# Altium PCB PCB_SDR.PcbDoc (part 1 of 6)
Units mil, origin at the board's own origin, x right, y up, seen from the top; angles counter-clockwise.
Board outline 4925.6 x 3220.01 mil, 8 copper layers (Top Layer, GND1, Signal 1, Power1, Power2, Signal 2, GND2, Bottom Layer), stack 62.84 mil thick; 406 components, 373 nets, 1642 pads, 1474 vias.
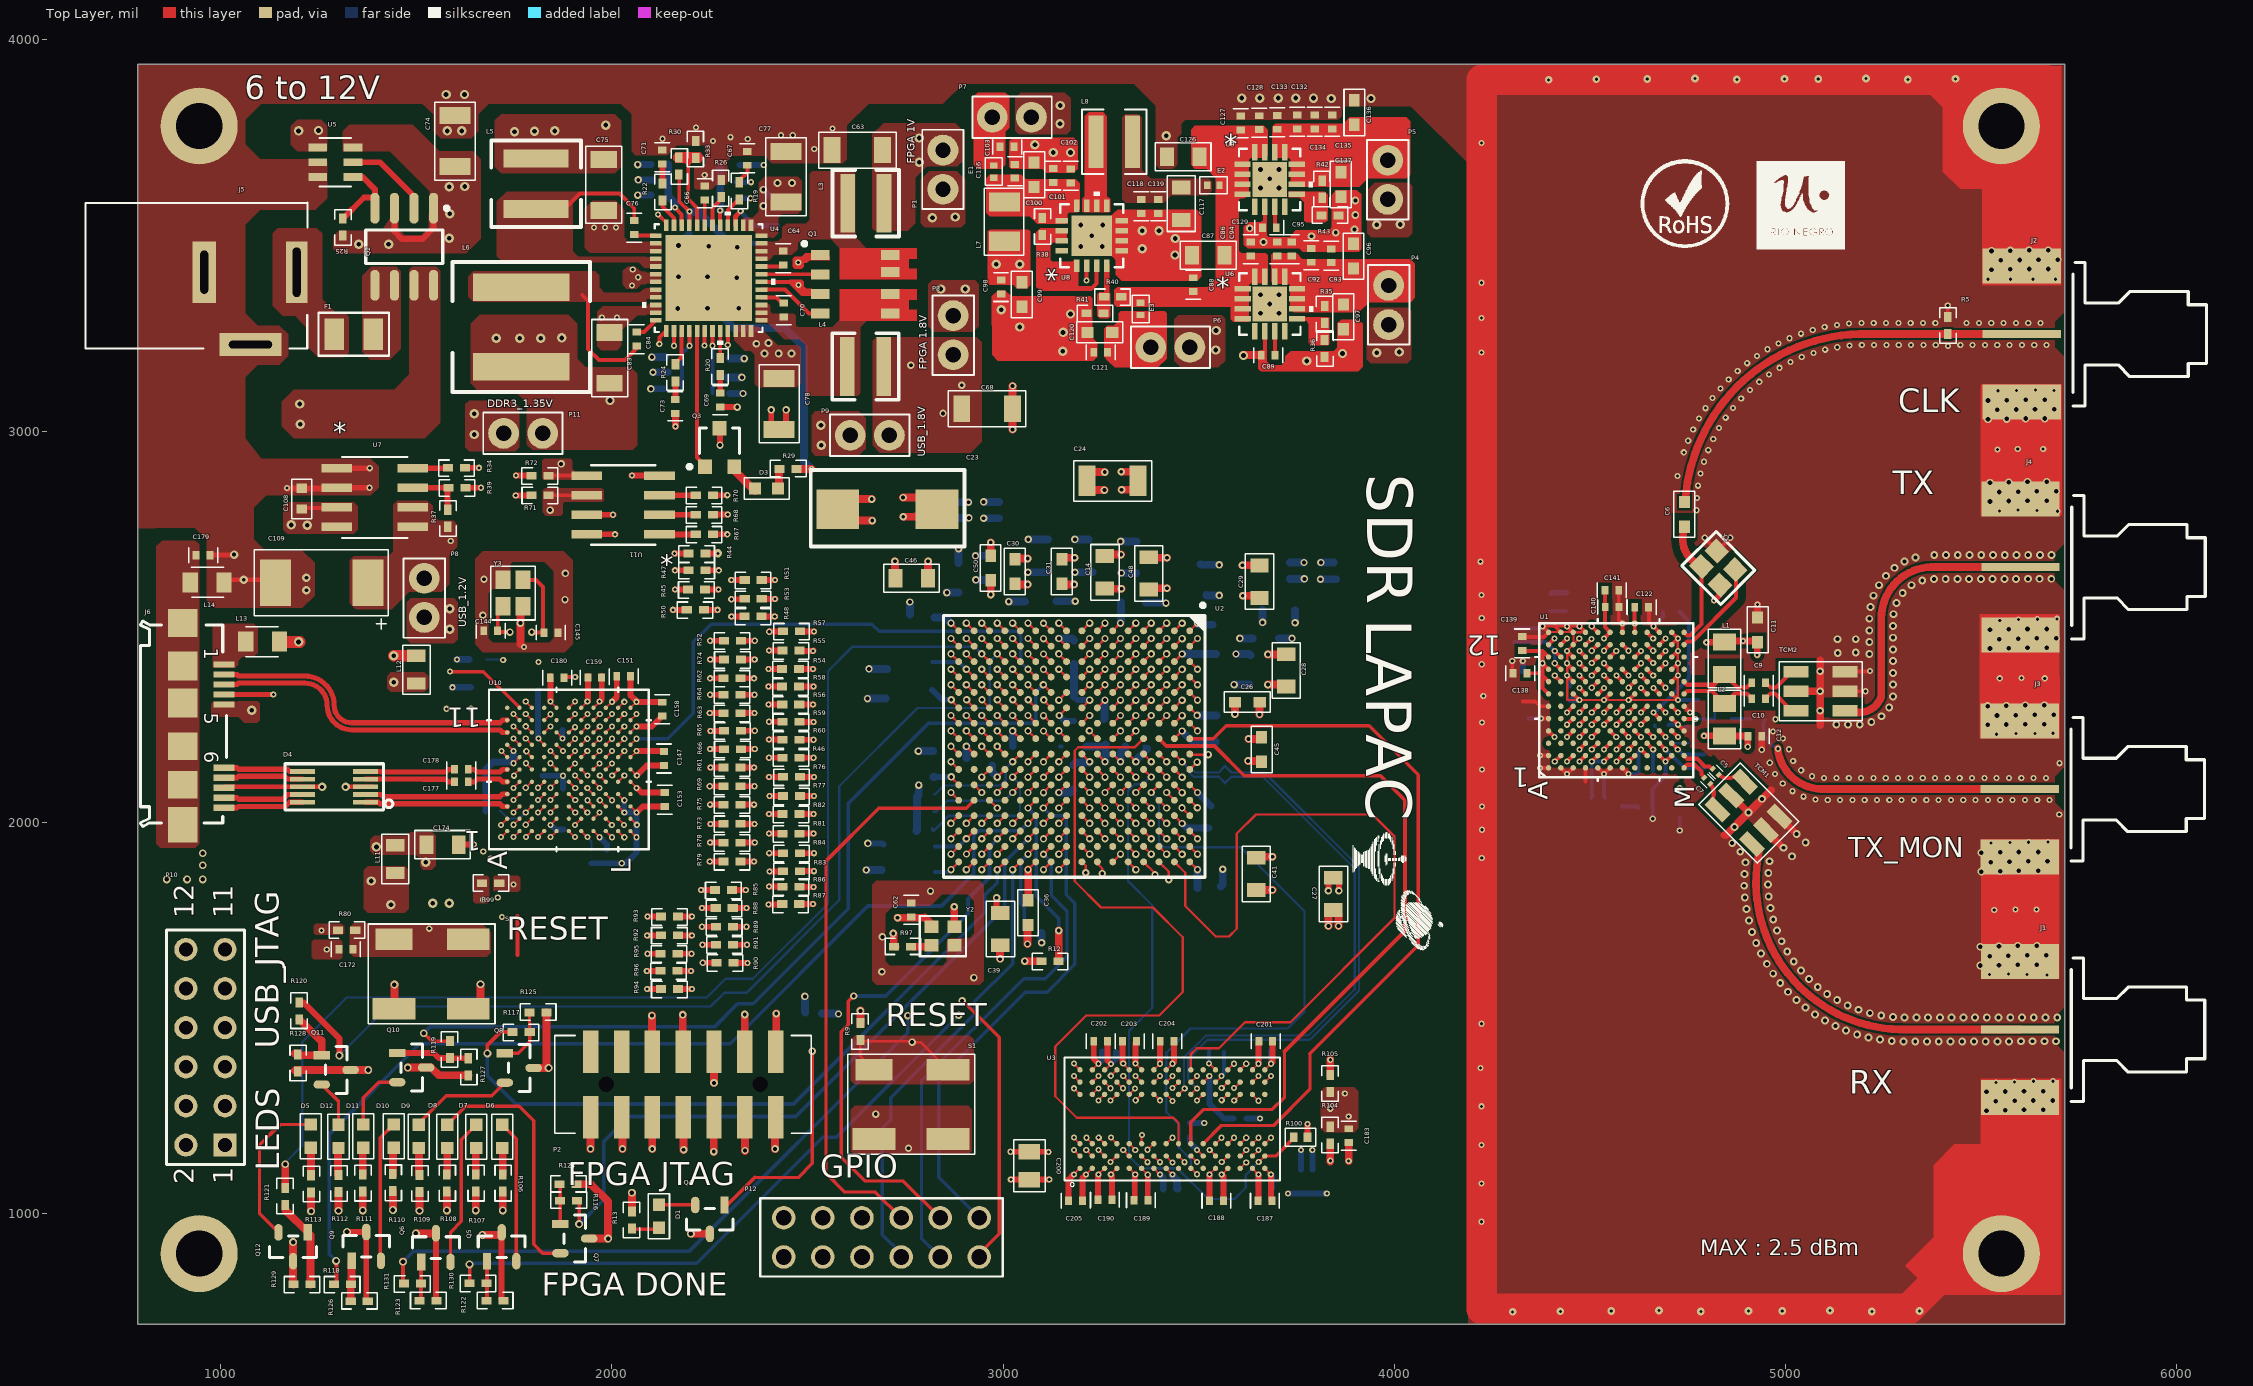
[diagram p0: Top Layer view]
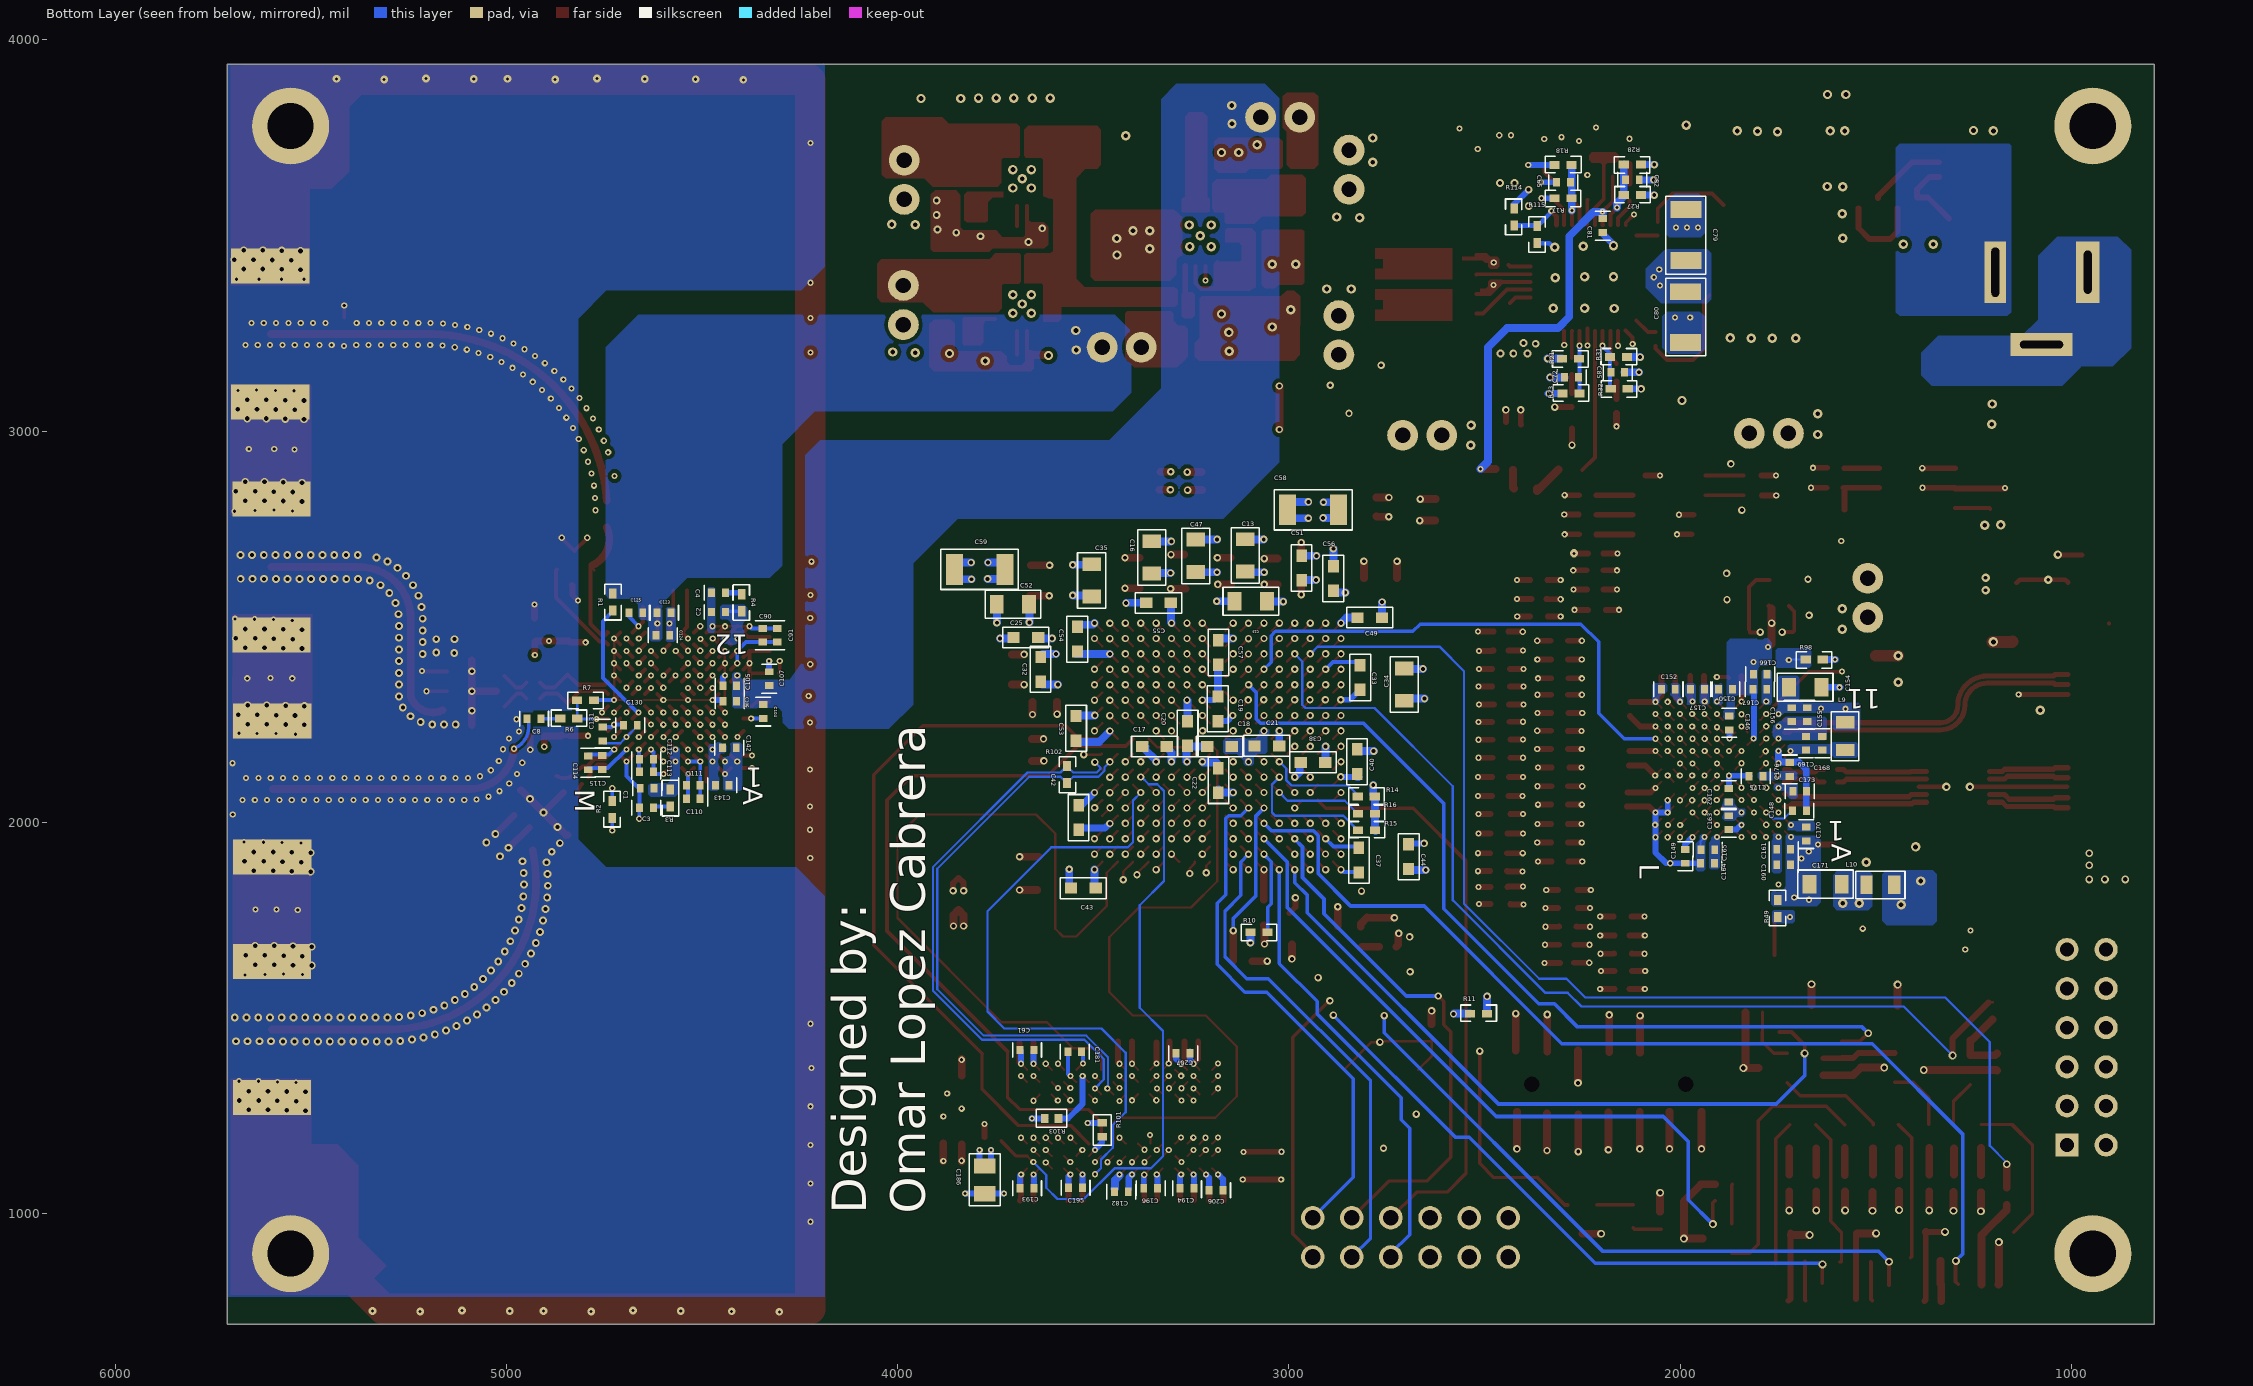
[diagram p1: Bottom Layer view, seen from below]
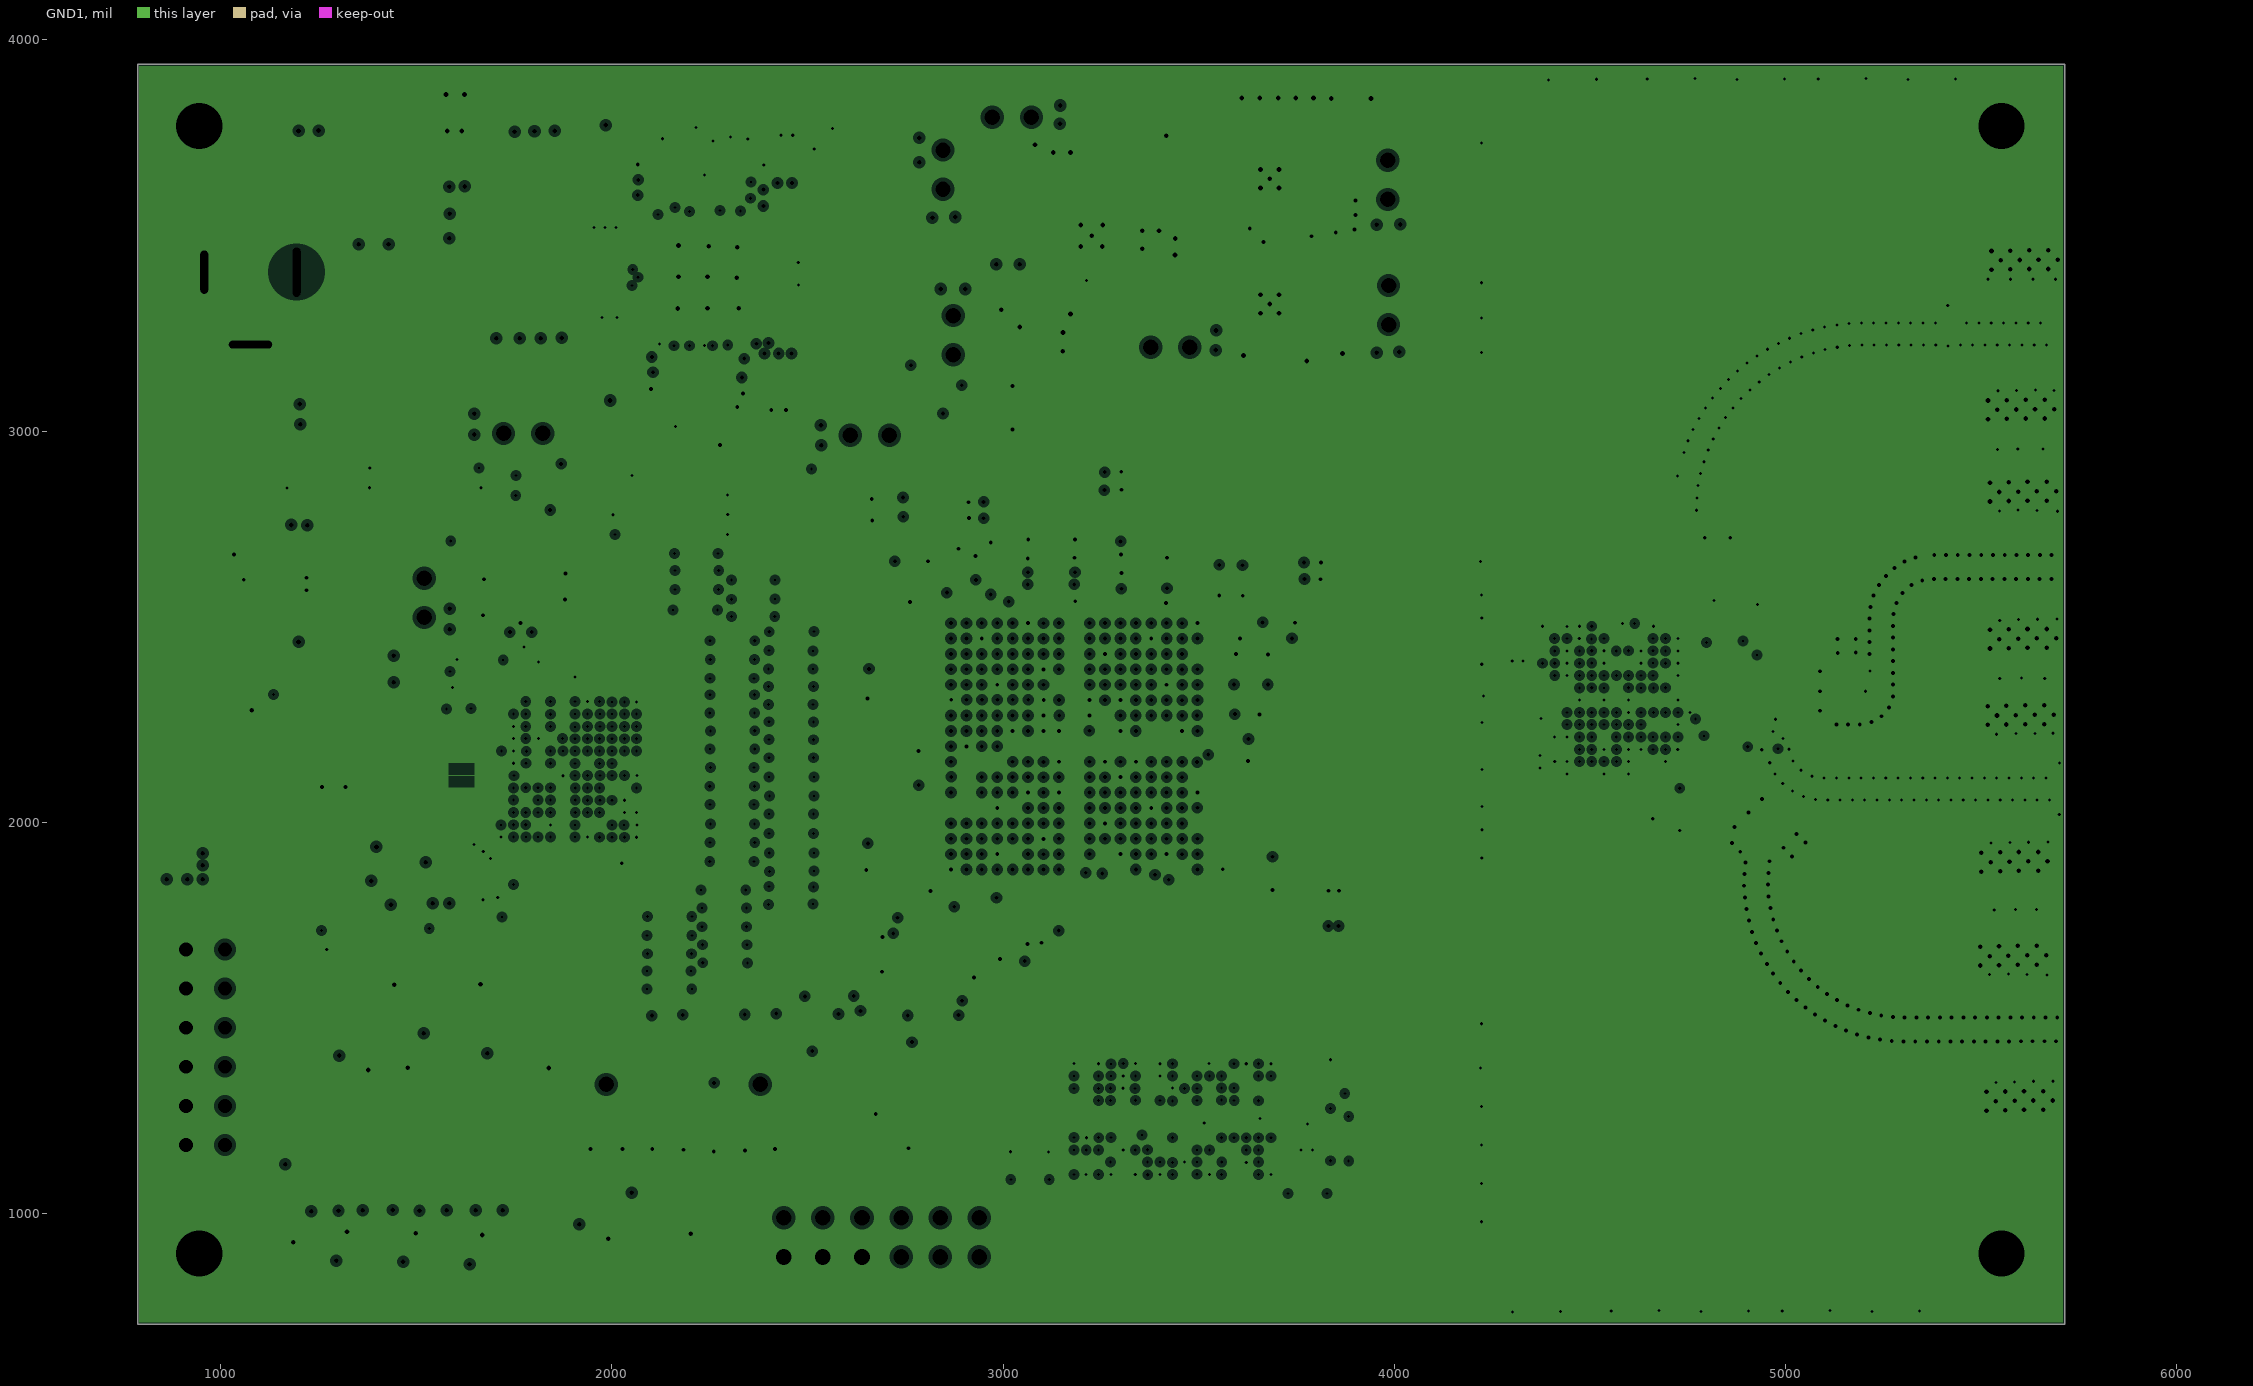
[diagram p2: GND1, clearances drawn from the general rule]
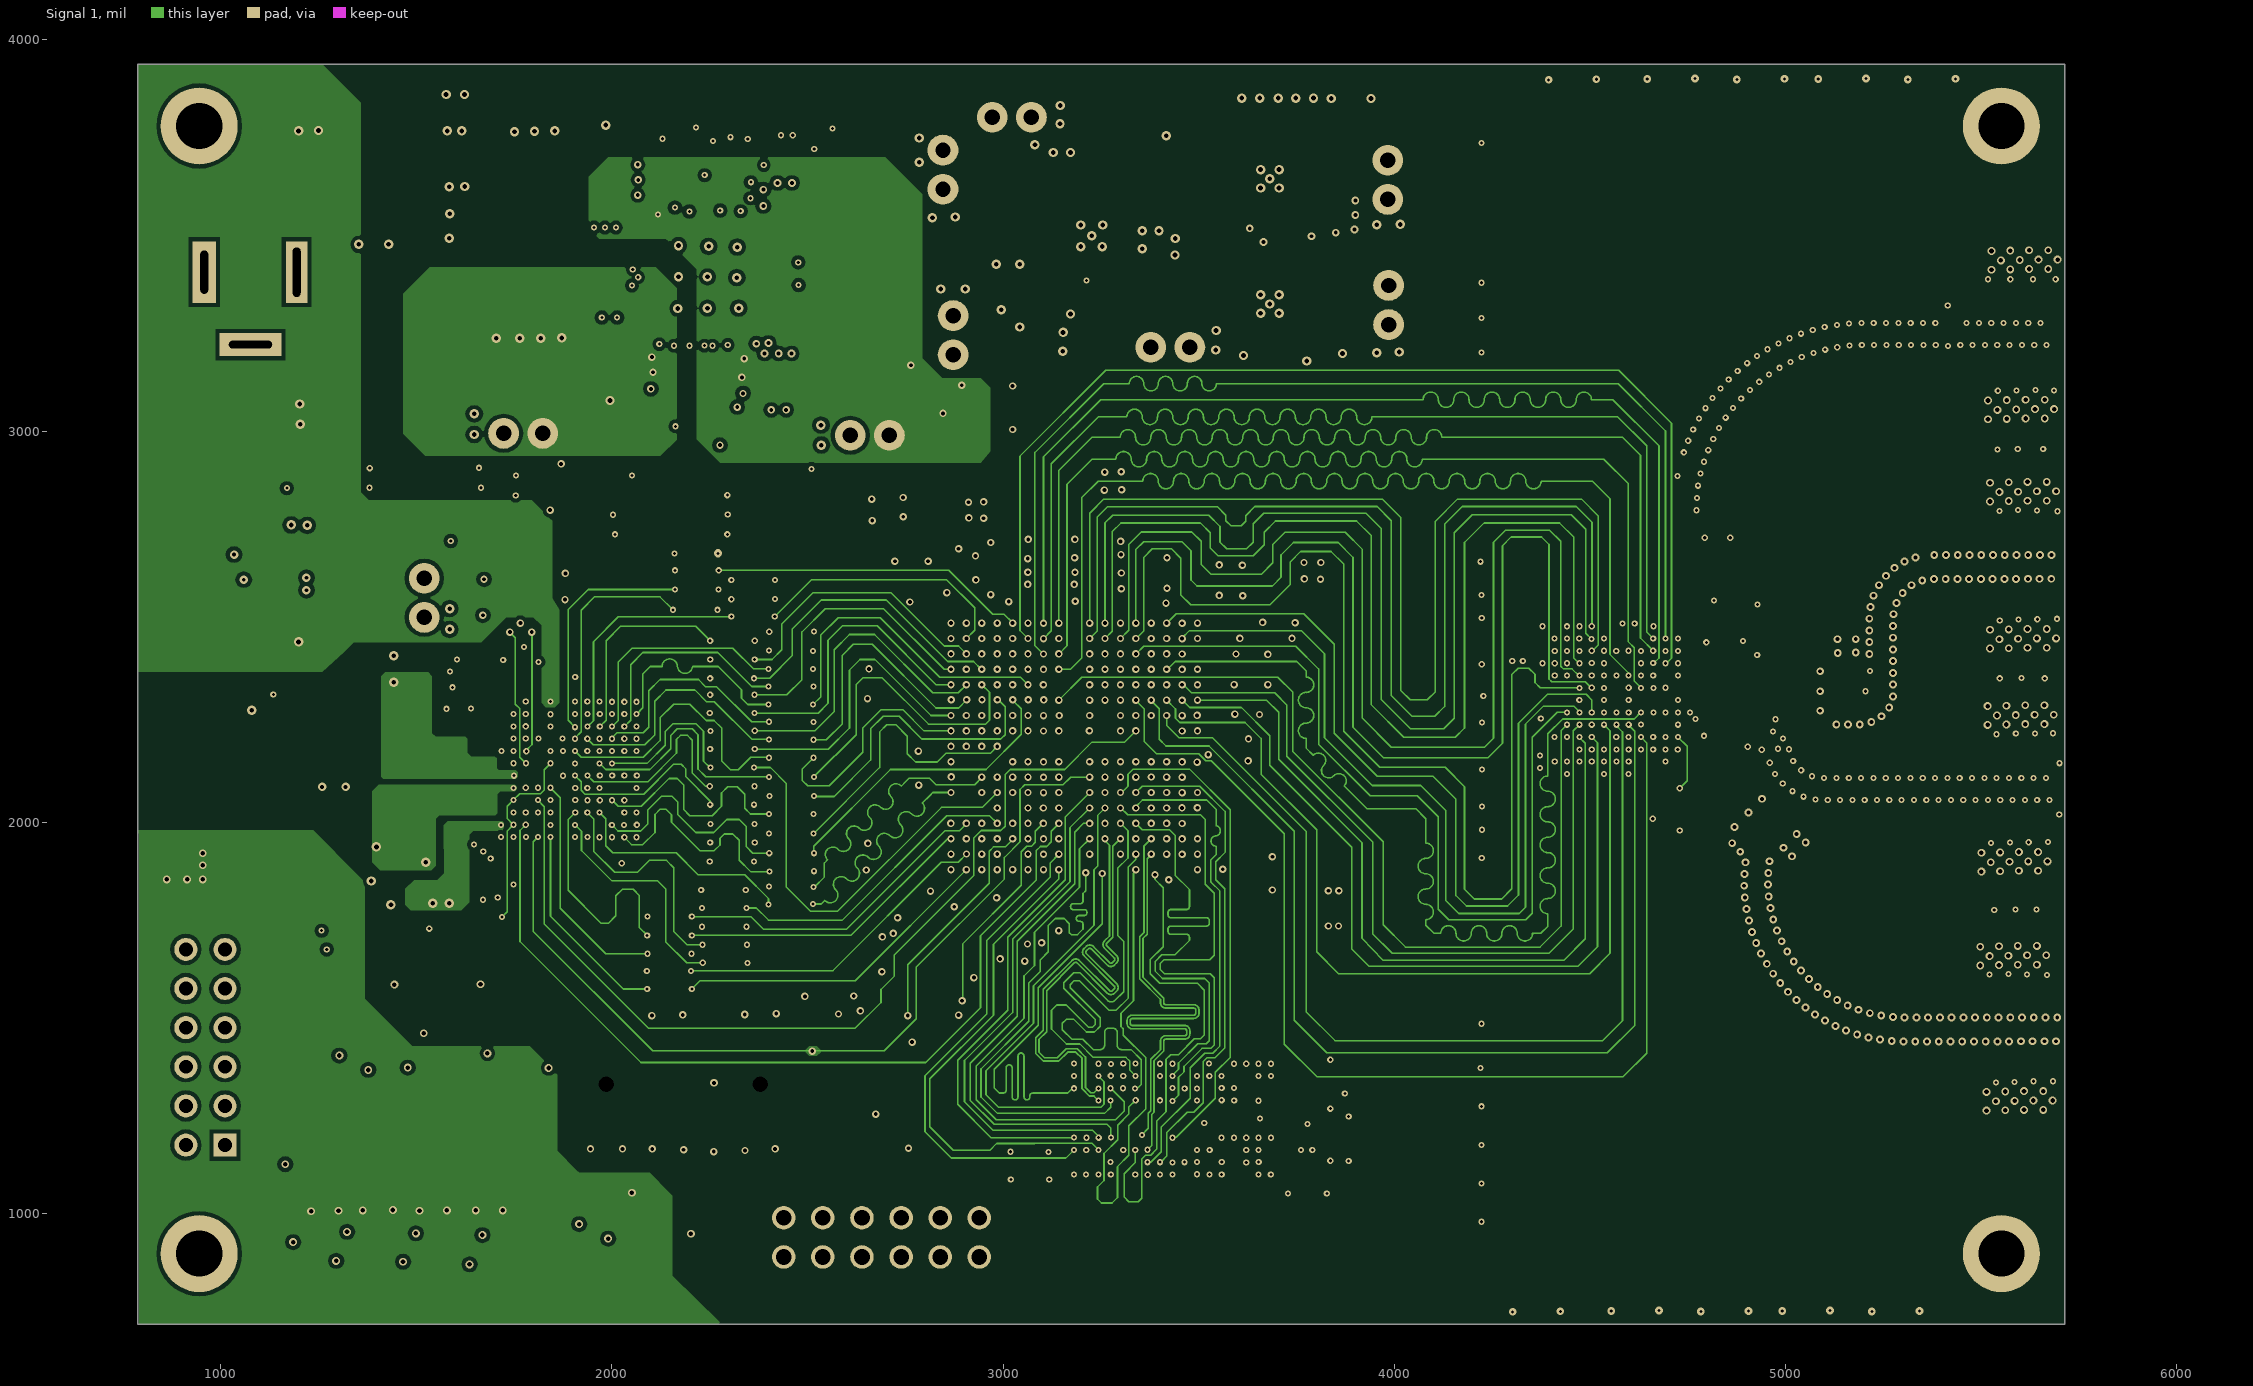
[diagram p3: Signal 1]
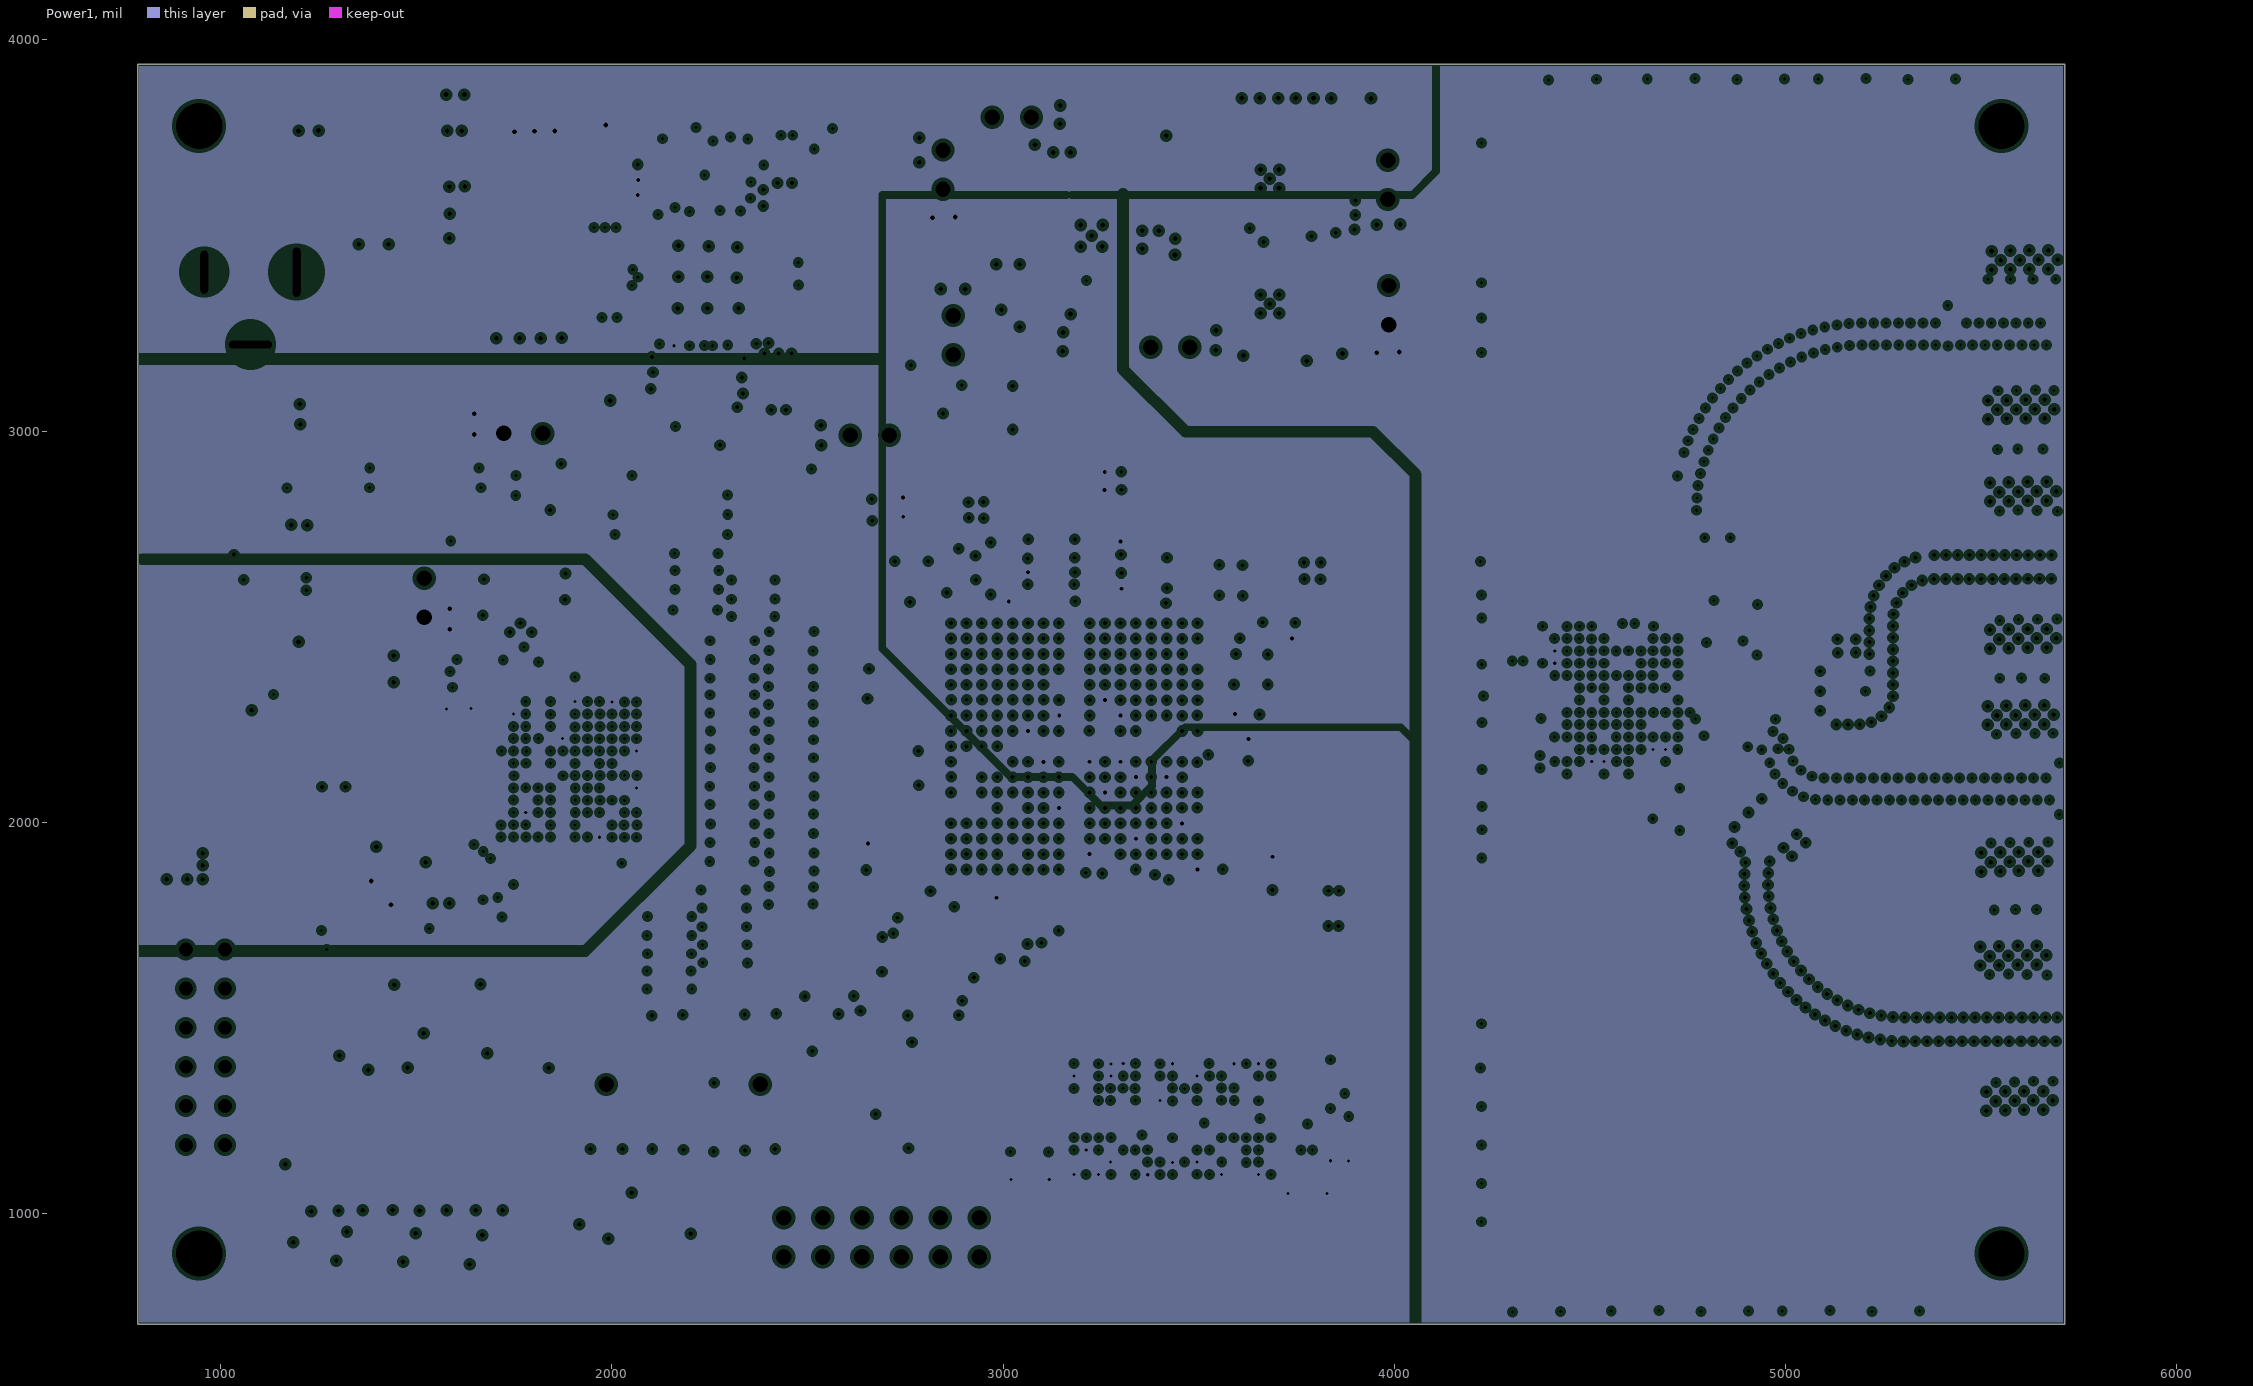
[diagram p4: Power1, clearances drawn from the general rule]